# KiCad board NoU2-panelized2.kicad_pcb (continued)
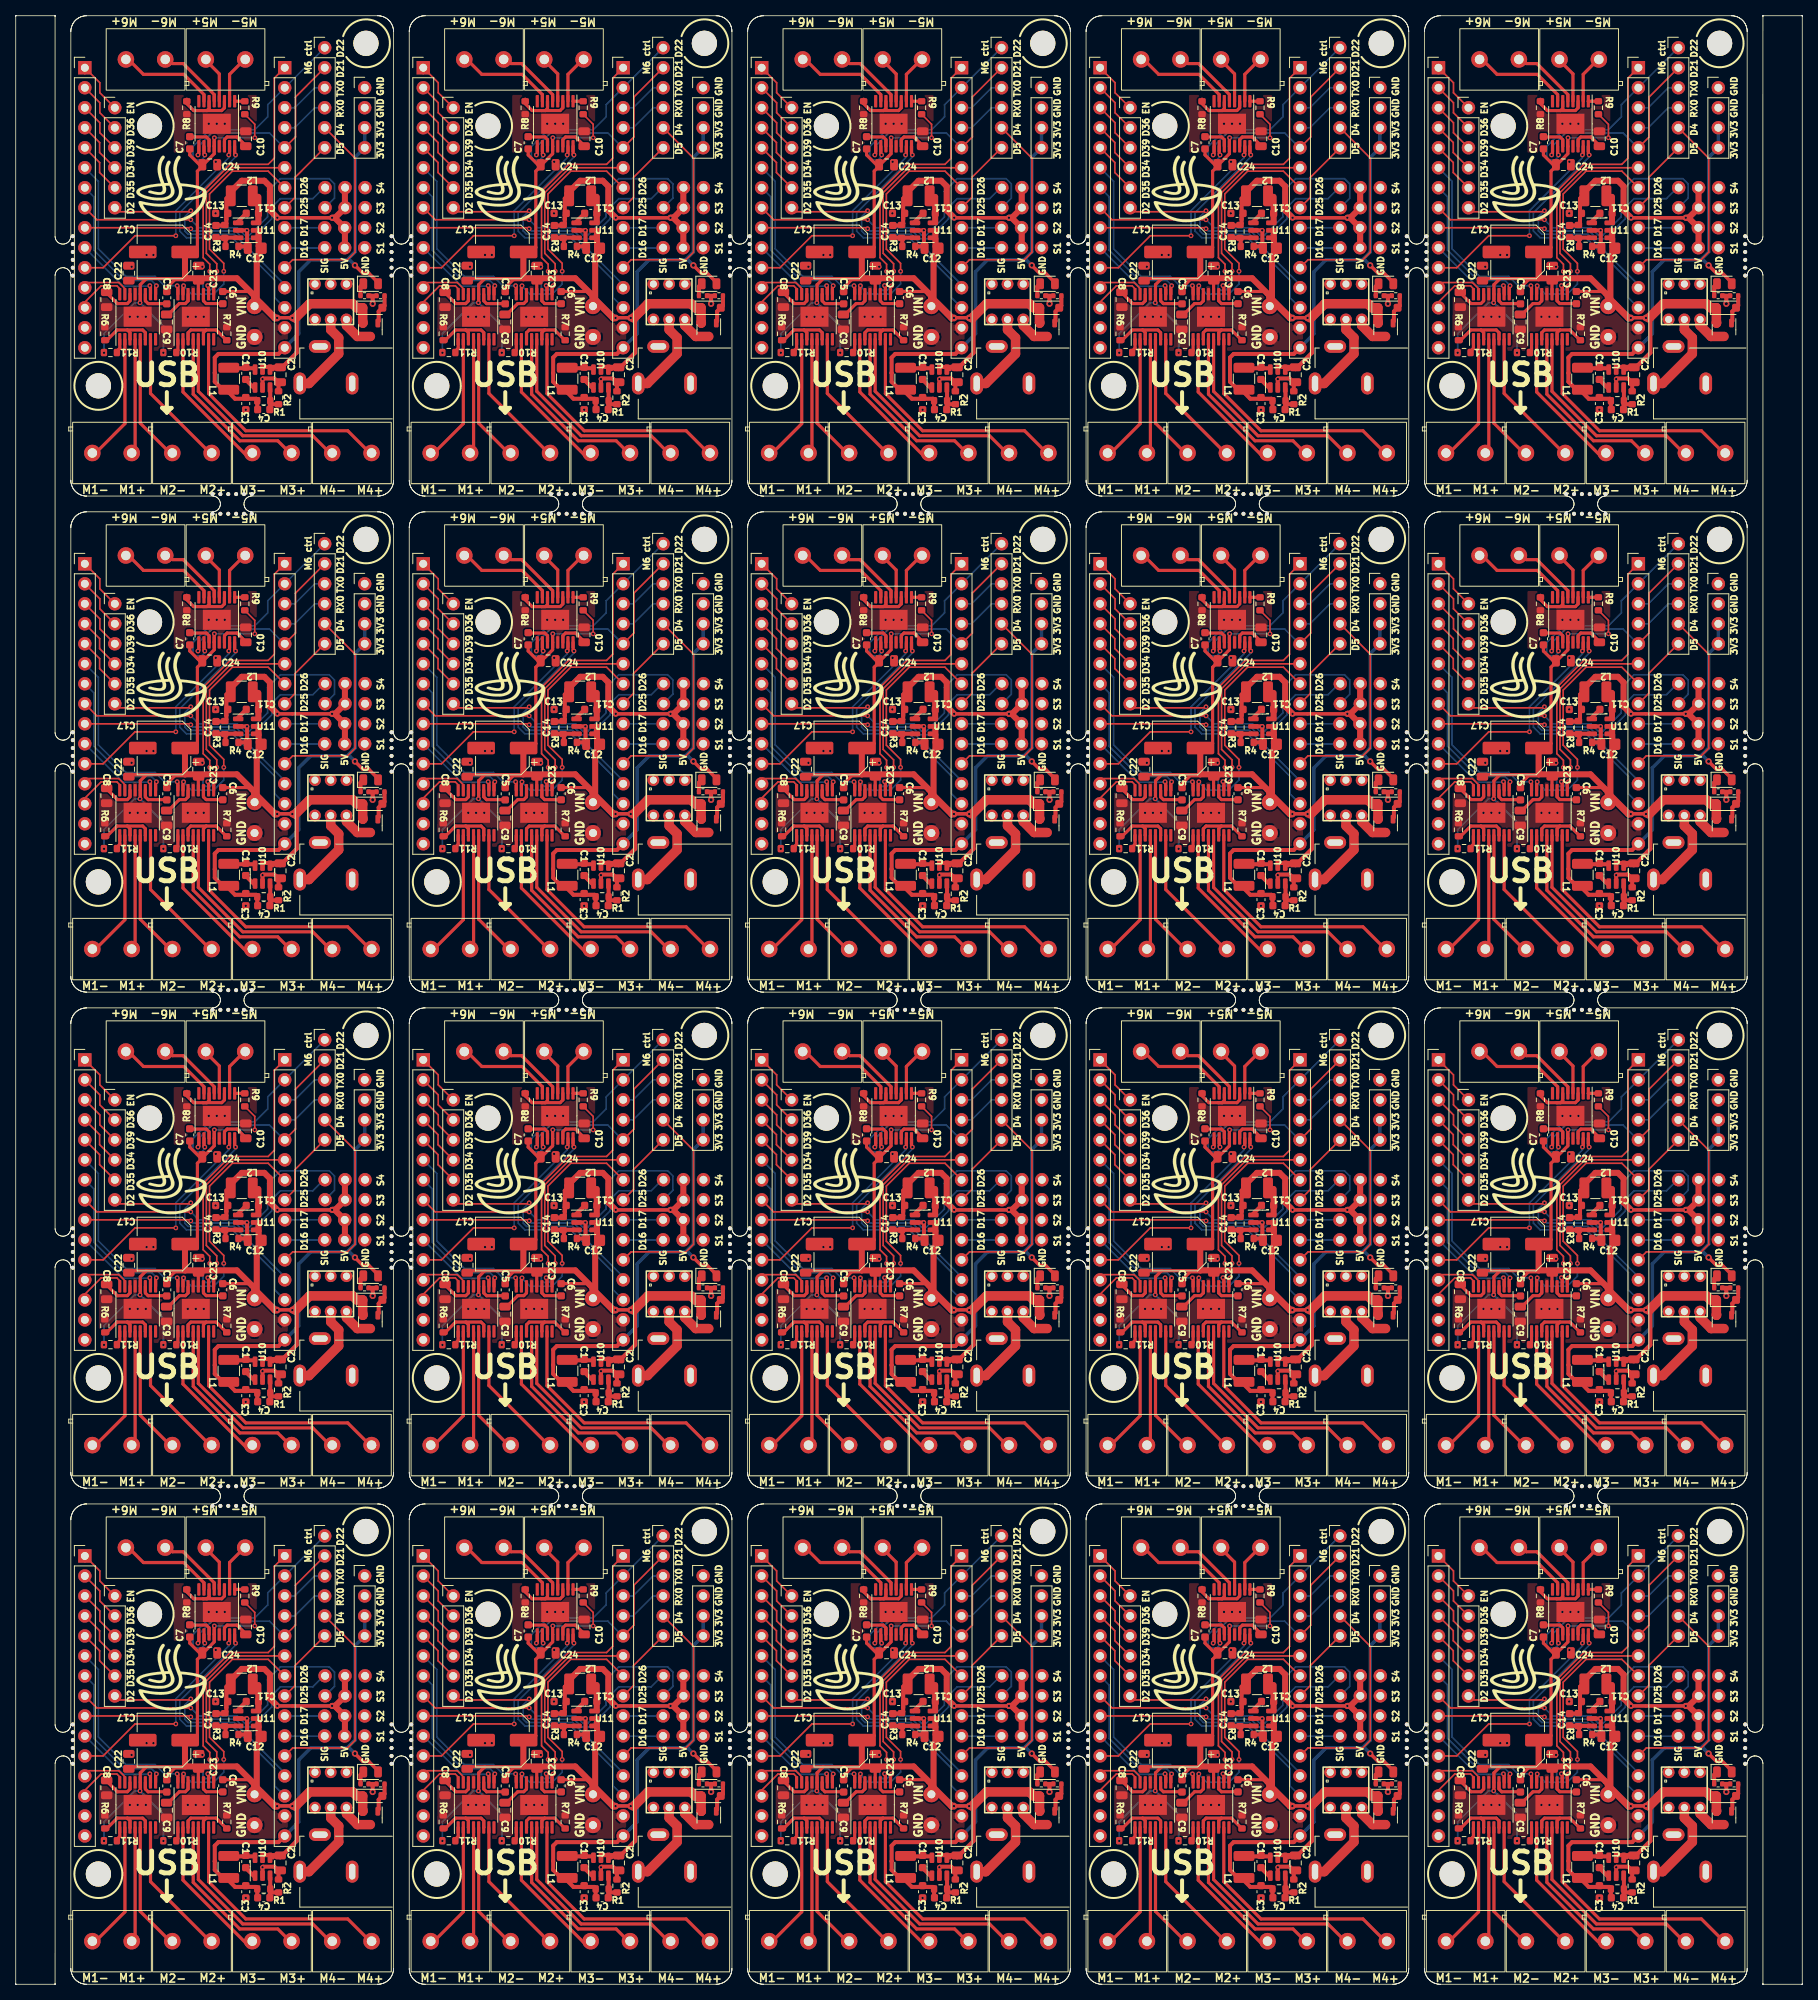
[diagram p0: board, top side]
## Placement (name value [footprint] x y rotation side) (continued)
REF**#363  -  [NPTH]  93.25 222 0 top
REF**#364  -  [NPTH]  47.75 31 0 top
REF**#365  -  [NPTH]  197 63.25 0 top
REF**#366  -  [NPTH]  70 189.25 0 top
REF**#367  -  [NPTH]  93.25 95 0 top
REF**#368  -  [NPTH]  179.25 30 0 top
REF**#369  -  [NPTH]  155 126.25 0 top
REF**#370  -  [NPTH]  93.25 159 0 top
REF**#371  -  [NPTH]  26 186.75 0 top
REF**#372  -  [NPTH]  154 123.75 0 top
REF**#373  -  [NPTH]  50.25 157 0 top
REF**#374  -  [NPTH]  179.25 28 0 top
REF**#375  -  [NPTH]  113 123.75 0 top
REF**#376  -  [NPTH]  90.75 221 0 top
REF**#377  -  [NPTH]  47.75 32 0 top
REF**#378  -  [NPTH]  47.75 96 0 top
REF**#379  -  [NPTH]  47.75 94 0 top
REF**#380  -  [NPTH]  219.75 28 0 top
REF**#381  -  [NPTH]  68 63.25 0 top
REF**#382  -  [NPTH]  154 186.75 0 top
REF**#383  -  [NPTH]  68 60.75 0 top
REF**#384  -  [NPTH]  47.75 30 0 top
REF**#385  -  [NPTH]  133.75 92 0 top
REF**#386  -  [NPTH]  90.75 217 0 top
REF**#387  -  [NPTH]  73 186.75 0 top
REF**#388  -  [NPTH]  50.25 33 0 top
REF**#389  -  [NPTH]  7.25 33 0 top
REF**#390  -  [NPTH]  219.75 31 0 top
REF**#391  -  [NPTH]  179.25 221 0 top
REF**#392  -  [NPTH]  29 63.25 0 top
REF**#393  -  [NPTH]  47.75 91 0 top
REF**#394  -  [NPTH]  176.75 33 0 top
REF**#395  -  [NPTH]  197 123.75 0 top
REF**#396  -  [NPTH]  159 189.25 0 top
REF**#397  -  [NPTH]  50.25 91 0 top
REF**#398  -  [NPTH]  136.25 159 0 top
REF**#399  -  [NPTH]  157 126.25 0 top
REF**#400  -  [NPTH]  202 186.75 0 top
REF**#401  -  [NPTH]  176.75 91 0 top
REF**#402  -  [NPTH]  156 63.25 0 top
REF**#403  -  [NPTH]  71 189.25 0 top
REF**#404  -  [NPTH]  112 63.25 0 top
REF**#405  -  [NPTH]  69 126.25 0 top
REF**#406  -  [NPTH]  30 123.75 0 top
REF**#407  -  [NPTH]  25 123.75 0 top
REF**#408  -  [NPTH]  114 126.25 0 top
REF**#409  -  [NPTH]  179.25 218 0 top
REF**#410  -  [NPTH]  29 60.75 0 top
REF**#411  -  [NPTH]  72 60.75 0 top
REF**#412  -  [NPTH]  7.25 221 0 top
REF**#413  -  [NPTH]  158 63.25 0 top
REF**#414  -  [NPTH]  71 123.75 0 top
REF**#415  -  [NPTH]  50.25 30 0 top
REF**#416  -  [NPTH]  29 186.75 0 top
REF**#417  -  [NPTH]  50.25 32 0 top
REF**#418  -  [NPTH]  159 123.75 0 top
REF**#419  -  [NPTH]  113 63.25 0 top
REF**#420  -  [NPTH]  72 123.75 0 top
REF**#421  -  [NPTH]  50.25 217 0 top
REF**#422  -  [NPTH]  133.75 28 0 top
REF**#423  -  [NPTH]  179.25 96 0 top
REF**#424  -  [NPTH]  202 189.25 0 top
REF**#425  -  [NPTH]  50.25 155 0 top
REF**#426  -  [NPTH]  136.25 31 0 top
REF**#427  -  [NPTH]  50.25 96 0 top
REF**#428  -  [NPTH]  219.75 92 0 top
REF**#429  -  [NPTH]  29 123.75 0 top
REF**#430  -  [NPTH]  133.75 220 0 top
REF**#431  -  [NPTH]  7.25 220 0 top
REF**#432  -  [NPTH]  199 126.25 0 top
REF**#433  -  [NPTH]  73 126.25 0 top
REF**#434  -  [NPTH]  27 126.25 0 top
REF**#435  -  [NPTH]  219.75 32 0 top
REF**#436  -  [NPTH]  201 63.25 0 top
REF**#437  -  [NPTH]  133.75 33 0 top
REF**#438  -  [NPTH]  158 126.25 0 top
REF**#439  -  [NPTH]  90.75 33 0 top
REF**#440  -  [NPTH]  30 186.75 0 top
REF**#441  -  [NPTH]  68 126.25 0 top
REF**#442  -  [NPTH]  200 60.75 0 top
REF**#443  -  [NPTH]  90.75 159 0 top
REF**#444  -  [NPTH]  158 123.75 0 top
REF**#445  -  [NPTH]  176.75 155 0 top
REF**#446  -  [NPTH]  198 186.75 0 top
REF**#447  -  [NPTH]  136.25 28 0 top
REF**#448  -  [NPTH]  176.75 158 0 top
REF**#449  -  [NPTH]  159 186.75 0 top
REF**#450  -  [NPTH]  90.75 157 0 top
REF**#451  -  [NPTH]  116 126.25 0 top
REF**#452  -  [NPTH]  219.75 33 0 top
REF**#453  -  [NPTH]  136.25 33 0 top
REF**#454  -  [NPTH]  219.75 221 0 top
REF**#455  -  [NPTH]  114 186.75 0 top
REF**#456  -  [NPTH]  115 126.25 0 top
REF**#457  -  [NPTH]  176.75 218 0 top
REF**#458  -  [NPTH]  47.75 28 0 top
REF**#459  -  [NPTH]  159 126.25 0 top
REF**#460  -  [NPTH]  136.25 155 0 top
REF**#461  -  [NPTH]  69 186.75 0 top
REF**#462  -  [NPTH]  176.75 29 0 top
REF**#463  -  [NPTH]  156 123.75 0 top
REF**#464  -  [NPTH]  69 189.25 0 top
REF**#465  -  [NPTH]  47.75 33 0 top
REF**#466  -  [NPTH]  69 63.25 0 top
REF**#467  -  [NPTH]  133.75 154 0 top
REF**#468  -  [NPTH]  136.25 222 0 top
REF**#469  -  [NPTH]  93.25 92 0 top
REF**#470  -  [NPTH]  157 189.25 0 top
REF**#471  -  [NPTH]  133.75 32 0 top
REF**#472  -  [NPTH]  201 60.75 0 top
REF**#473  -  [NPTH]  111 186.75 0 top
REF**#474  -  [NPTH]  47.75 157 0 top
REF**#475  -  [NPTH]  179.25 91 0 top
REF**#476  -  [NPTH]  71 60.75 0 top
REF**#477  -  [NPTH]  133.75 218 0 top
REF**#478  -  [NPTH]  93.25 154 0 top
REF**#479  -  [NPTH]  176.75 32 0 top
REF**#480  -  [NPTH]  115 186.75 0 top
U1  -  [HR8833]  58.49 211.78 90 top
U1#2  -  [HR8833]  144.49 211.78 90 top
U1#3  -  [HR8833]  187.49 148.78 90 top
U1#4  -  [HR8833]  15.49 211.78 90 top
U1#5  -  [HR8833]  58.49 148.78 90 top
U1#6  -  [HR8833]  144.49 85.78 90 top
U1#7  -  [HR8833]  101.49 211.78 90 top
U1#8  -  [HR8833]  187.49 211.78 90 top
U1#9  -  [HR8833]  58.49 22.78 90 top
U1#10  -  [HR8833]  101.49 148.78 90 top
U1#11  -  [HR8833]  101.49 85.78 90 top
U1#12  -  [HR8833]  187.49 22.78 90 top
U1#13  -  [HR8833]  15.49 22.78 90 top
U1#14  -  [HR8833]  15.49 148.78 90 top
U1#15  -  [HR8833]  101.49 22.78 90 top
U1#16  -  [HR8833]  187.49 85.78 90 top
U1#17  -  [HR8833]  58.49 85.78 90 top
U1#18  -  [HR8833]  15.49 85.78 90 top
U1#19  -  [HR8833]  144.49 148.78 90 top
U1#20  -  [HR8833]  144.49 22.78 90 top
U2  -  [HR8833]  25.54 173.28 270 top
U2#2  -  [HR8833]  197.54 236.28 270 top
U2#3  -  [HR8833]  111.54 236.28 270 top
U2#4  -  [HR8833]  154.54 236.28 270 top
U2#5  -  [HR8833]  68.54 110.28 270 top
U2#6  -  [HR8833]  25.54 47.28 270 top
U2#7  -  [HR8833]  197.54 110.28 270 top
U2#8  -  [HR8833]  111.54 173.28 270 top
U2#9  -  [HR8833]  25.54 236.28 270 top
U2#10  -  [HR8833]  154.54 47.28 270 top
U2#11  -  [HR8833]  111.54 47.28 270 top
U2#12  -  [HR8833]  197.54 173.28 270 top
U2#13  -  [HR8833]  68.54 47.28 270 top
U2#14  -  [HR8833]  25.54 110.28 270 top
U2#15  -  [HR8833]  111.54 110.28 270 top
U2#16  -  [HR8833]  68.54 236.28 270 top
U2#17  -  [HR8833]  154.54 173.28 270 top
U2#18  -  [HR8833]  197.54 47.28 270 top
U2#19  -  [HR8833]  68.54 173.28 270 top
U2#20  -  [HR8833]  154.54 110.28 270 top
U3  -  [HR8833]  108.88 22.77 90 top
U3#2  -  [HR8833]  22.88 211.77 90 top
U3#3  -  [HR8833]  194.88 148.77 90 top
U3#4  -  [HR8833]  108.88 85.77 90 top
U3#5  -  [HR8833]  65.88 211.77 90 top
U3#6  -  [HR8833]  22.88 85.77 90 top
U3#7  -  [HR8833]  65.88 85.77 90 top
U3#8  -  [HR8833]  151.88 85.77 90 top
U3#9  -  [HR8833]  22.88 148.77 90 top
U3#10  -  [HR8833]  65.88 148.77 90 top
U3#11  -  [HR8833]  194.88 211.77 90 top
U3#12  -  [HR8833]  108.88 211.77 90 top
U3#13  -  [HR8833]  151.88 211.77 90 top
U3#14  -  [HR8833]  151.88 22.77 90 top
U3#15  -  [HR8833]  108.88 148.77 90 top
U3#16  -  [HR8833]  194.88 85.77 90 top
U3#17  -  [HR8833]  151.88 148.77 90 top
U3#18  -  [HR8833]  22.88 22.77 90 top
U3#19  -  [HR8833]  194.88 22.77 90 top
U3#20  -  [HR8833]  65.88 22.77 90 top
U4  -  [XKB5858-Z-75]  169.02 87.68 0 top
U4#2  -  [XKB5858-Z-75]  83.02 213.68 0 top
U4#3  -  [XKB5858-Z-75]  83.02 150.68 0 top
U4#4  -  [XKB5858-Z-75]  126.02 150.68 0 top
U4#5  -  [XKB5858-Z-75]  83.02 87.68 0 top
U4#6  -  [XKB5858-Z-75]  126.02 24.68 0 top
U4#7  -  [XKB5858-Z-75]  126.02 87.68 0 top
U4#8  -  [XKB5858-Z-75]  83.02 24.68 0 top
U4#9  -  [XKB5858-Z-75]  212.02 24.68 0 top
U4#10  -  [XKB5858-Z-75]  169.02 150.68 0 top
U4#11  -  [XKB5858-Z-75]  126.02 213.68 0 top
U4#12  -  [XKB5858-Z-75]  40.02 87.68 0 top
U4#13  -  [XKB5858-Z-75]  40.02 150.68 0 top
U4#14  -  [XKB5858-Z-75]  212.02 213.68 0 top
U4#15  -  [XKB5858-Z-75]  169.02 24.68 0 top
U4#16  -  [XKB5858-Z-75]  212.02 87.68 0 top
U4#17  -  [XKB5858-Z-75]  169.02 213.68 0 top
U4#18  -  [XKB5858-Z-75]  212.02 150.68 0 top
U4#19  -  [XKB5858-Z-75]  40.02 213.68 0 top
U4#20  -  [XKB5858-Z-75]  40.02 24.68 0 top
U10  SY8113BADC  [TSOT-23-6]  160.36 203.92 90 top
U10#2  SY8113BADC  [TSOT-23-6]  117.36 77.92 90 top
U10#3  SY8113BADC  [TSOT-23-6]  117.36 203.92 90 top
U10#4  SY8113BADC  [TSOT-23-6]  31.36 14.92 90 top
U10#5  SY8113BADC  [TSOT-23-6]  160.36 140.92 90 top
U10#6  SY8113BADC  [TSOT-23-6]  203.36 14.92 90 top
U10#7  SY8113BADC  [TSOT-23-6]  160.36 14.92 90 top
U10#8  SY8113BADC  [TSOT-23-6]  74.36 203.92 90 top
U10#9  SY8113BADC  [TSOT-23-6]  117.36 140.92 90 top
U10#10  SY8113BADC  [TSOT-23-6]  31.36 140.92 90 top
U10#11  SY8113BADC  [TSOT-23-6]  203.36 77.92 90 top
U10#12  SY8113BADC  [TSOT-23-6]  74.36 77.92 90 top
U10#13  SY8113BADC  [TSOT-23-6]  203.36 140.92 90 top
U10#14  SY8113BADC  [TSOT-23-6]  74.36 14.92 90 top
U10#15  SY8113BADC  [TSOT-23-6]  31.36 77.92 90 top
U10#16  SY8113BADC  [TSOT-23-6]  117.36 14.92 90 top
U10#17  SY8113BADC  [TSOT-23-6]  203.36 203.92 90 top
U10#18  SY8113BADC  [TSOT-23-6]  74.36 140.92 90 top
U10#19  SY8113BADC  [TSOT-23-6]  160.36 77.92 90 top
U10#20  SY8113BADC  [TSOT-23-6]  31.36 203.92 90 top
U11  SY8113BADC  [TSOT-23-6]  158.4 159.75 0 top
U11#2  SY8113BADC  [TSOT-23-6]  115.4 159.75 0 top
U11#3  SY8113BADC  [TSOT-23-6]  72.4 222.75 0 top
U11#4  SY8113BADC  [TSOT-23-6]  29.4 96.75 0 top
U11#5  SY8113BADC  [TSOT-23-6]  29.4 33.75 0 top
U11#6  SY8113BADC  [TSOT-23-6]  115.4 33.75 0 top
U11#7  SY8113BADC  [TSOT-23-6]  201.4 222.75 0 top
U11#8  SY8113BADC  [TSOT-23-6]  115.4 96.75 0 top
U11#9  SY8113BADC  [TSOT-23-6]  29.4 222.75 0 top
U11#10  SY8113BADC  [TSOT-23-6]  115.4 222.75 0 top
U11#11  SY8113BADC  [TSOT-23-6]  158.4 222.75 0 top
U11#12  SY8113BADC  [TSOT-23-6]  72.4 159.75 0 top
U11#13  SY8113BADC  [TSOT-23-6]  29.4 159.75 0 top
U11#14  SY8113BADC  [TSOT-23-6]  201.4 159.75 0 top
U11#15  SY8113BADC  [TSOT-23-6]  158.4 33.75 0 top
U11#16  SY8113BADC  [TSOT-23-6]  201.4 33.75 0 top
U11#17  SY8113BADC  [TSOT-23-6]  72.4 33.75 0 top
U11#18  SY8113BADC  [TSOT-23-6]  72.4 96.75 0 top
U11#19  SY8113BADC  [TSOT-23-6]  201.4 96.75 0 top
U11#20  SY8113BADC  [TSOT-23-6]  158.4 96.75 0 top
U17  -  [ServoPorts_2x3]  211.3 225.63 0 top
U17#2  -  [ServoPorts_2x3]  82.3 99.63 0 top
U17#3  -  [ServoPorts_2x3]  125.3 99.63 0 top
U17#4  -  [ServoPorts_2x3]  39.3 225.63 0 top
U17#5  -  [ServoPorts_2x3]  168.3 225.63 0 top
U17#6  -  [ServoPorts_2x3]  82.3 225.63 0 top
U17#7  -  [ServoPorts_2x3]  82.3 162.63 0 top
U17#8  -  [ServoPorts_2x3]  39.3 162.63 0 top
U17#9  -  [ServoPorts_2x3]  211.3 162.63 0 top
U17#10  -  [ServoPorts_2x3]  168.3 99.63 0 top
U17#11  -  [ServoPorts_2x3]  39.3 99.63 0 top
U17#12  -  [ServoPorts_2x3]  39.3 36.63 0 top
U17#13  -  [ServoPorts_2x3]  125.3 162.63 0 top
U17#14  -  [ServoPorts_2x3]  168.3 162.63 0 top
U17#15  -  [ServoPorts_2x3]  168.3 36.63 0 top
U17#16  -  [ServoPorts_2x3]  82.3 36.63 0 top
U17#17  -  [ServoPorts_2x3]  211.3 36.63 0 top
U17#18  -  [ServoPorts_2x3]  211.3 99.63 0 top
U17#19  -  [ServoPorts_2x3]  125.3 225.63 0 top
U17#20  -  [ServoPorts_2x3]  125.3 36.63 0 top
U18  -  [ServoPorts_2x3]  82.26 94.54 0 top
U18#2  -  [ServoPorts_2x3]  211.26 31.54 0 top
U18#3  -  [ServoPorts_2x3]  125.26 220.54 0 top
U18#4  -  [ServoPorts_2x3]  82.26 157.54 0 top
U18#5  -  [ServoPorts_2x3]  211.26 157.54 0 top
U18#6  -  [ServoPorts_2x3]  125.26 94.54 0 top
U18#7  -  [ServoPorts_2x3]  125.26 157.54 0 top
U18#8  -  [ServoPorts_2x3]  168.26 220.54 0 top
U18#9  -  [ServoPorts_2x3]  211.26 94.54 0 top
U18#10  -  [ServoPorts_2x3]  82.26 220.54 0 top
U18#11  -  [ServoPorts_2x3]  39.26 31.54 0 top
U18#12  -  [ServoPorts_2x3]  39.26 157.54 0 top
U18#13  -  [ServoPorts_2x3]  168.26 157.54 0 top
U18#14  -  [ServoPorts_2x3]  211.26 220.54 0 top
U18#15  -  [ServoPorts_2x3]  82.26 31.54 0 top
U18#16  -  [ServoPorts_2x3]  39.26 220.54 0 top
U18#17  -  [ServoPorts_2x3]  168.26 31.54 0 top
U18#18  -  [ServoPorts_2x3]  125.26 31.54 0 top
U18#19  -  [ServoPorts_2x3]  168.26 94.54 0 top
U18#20  -  [ServoPorts_2x3]  39.26 94.54 0 top

## Library data of the parts
C1 C1#2-C1#20 C11 C11#2-C11#20 = -: Description: Unpolarized capacitor; LCSC: C14663
C2 C2#2-C2#20 C8 C8#2-C8#20 C9 C9#2-C9#20 C10 C10#2-C10#20 C12 C12#2-C12#20 C22 C22#2-C22#20 C23 C23#2-C23#20 C24 C24#2-C24#20 = -: Description: Unpolarized capacitor; LCSC: C15850
C3 C3#2-C3#20 C13 C13#2-C13#20 = -: Description: Unpolarized capacitor; LCSC: C59461
C4 C4#2-C4#20 C14 C14#2-C14#20 = -: Description: Unpolarized capacitor; LCSC: C1653
C5 C5#2-C5#20 C6 C6#2-C6#20 C7 C7#2-C7#20 = -: Description: Unpolarized capacitor; LCSC: C57112
C17 C17#2-C17#20 = -: Description: Polarized capacitor; LCSC: C176675
D1 D1#2-D1#20 = -: Description: Light emitting diode; LCSC: C2296
D3 D3#2-D3#20 = -: Description: 500mW Zener Diode, MiniMELF; LCSC: C22612
J1 J1#2-J1#20 J4 J4#2-J4#20 = -: Description: Generic connector, single row, 01x06, script generated (kicad-library-utils/schlib/autogen/connector/)
J2 J2#2-J2#20 J5 J5#2-J5#20 = -: Description: Generic connector, single row, 01x15, script generated (kicad-library-utils/schlib/autogen/connector/); LCSC: C2897378
J3 J3#2-J3#20 = -: Description: Generic connector, single row, 01x04, script generated (kicad-library-utils/schlib/autogen/connector/)
J10 J10#2-J10#20 = -: Description: DC Barrel Jack; LCSC: C84007
J11 J11#2-J11#20 J15 J15#2-J15#20 J16 J16#2-J16#20 J17 J17#2-J17#20 J18 J18#2-J18#20 J19 J19#2-J19#20 = -: Description: Generic screw terminal, single row, 01x02, script generated (kicad-library-utils/schlib/autogen/connector/); LCSC: C557646
J13 J13#2-J13#20 J14 J14#2-J14#20 = -: Description: Generic connector, single row, 01x01, script generated (kicad-library-utils/schlib/autogen/connector/)
L1 L1#2-L1#20 L2 L2#2-L2#20 = -: Description: Inductor; LCSC: C86070
Q1 Q1#2-Q1#20 = -: Description: -4.0A Id, -30V Vds, P-Channel MOSFET, SOT-23; LCSC: C15127
R1 R1#2-R1#20 R3 R3#2-R3#20 = -: Description: Resistor; LCSC: C25803
R2 R2#2-R2#20 R9 R9#2-R9#20 R10 R10#2-R10#20 R11 R11#2-R11#20 = -: Description: Resistor; LCSC: C31850
R4 R4#2-R4#20 = -: Description: Resistor; LCSC: C22797
R5 R5#2-R5#20 = -: Description: Resistor; LCSC: C25744
R6 R6#2-R6#20 R7 R7#2-R7#20 R8 R8#2-R8#20 = -: Description: Resistor; LCSC: C111027
R14 R14#2-R14#20 = -: Description: Resistor; LCSC: C11702
U1 U1#2-U1#20 U2 U2#2-U2#20 U3 U3#2-U3#20 = -: LCSC: C128666
U4 U4#2-U4#20 = -: LCSC: C318867
U10 U10#2-U10#20 U11 U11#2-U11#20 = -: LCSC: C78989
U17 U17#2-U17#20 U18 U18#2-U18#20 = -: LCSC: C5116479

## Footprints (pads in the part's own frame, mm; a bottom-side part is the same pattern mirrored in y, then rotated)
C_0603_1608Metric
  rrect 0.9x0.95 smd: 1(-0.775,0) 2(0.775,0)
C_0805_2012Metric
  rrect 1x1.45 smd: 1(-0.95,0) 2(0.95,0)
CP_Elec_6.3x7.7
  rrect 3.5x1.6 smd: 1(-2.7,0) 2(2.7,0)
D_SOD-323_HandSoldering
  rrect 1x1 smd: 1(-1.25,0) 2(1.25,0)
DC-005C
  rrect 1.6x2.8 hole 0.8x2: 1(6.65,0) 2(0,0)
  rrect 2.8x1.6 hole 2x0.8: 3(4.1,-4.7)
HR8833
  rect 2.54x3.556 smd: (0,0) 17(0,0)
  rect 2.794x3.81 smd: (0,0)
  rrect 1.575x0.4 smd: 1(-2.862,2.275) 2(-2.862,1.625) 3(-2.862,0.975) 4(-2.862,0.325) 5(-2.862,-0.325) 6(-2.862,-0.975) 7(-2.862,-1.625) 8(-2.862,-2.275) 9(2.862,-2.275) 10(2.862,-1.625) 11(2.862,-0.975) 12(2.862,-0.325) 13(2.862,0.325) 14(2.862,0.975) 15(2.862,1.625) 16(2.862,2.275)
L_1210_3225Metric
  rrect 1.25x2.65 smd: 1(-1.4,0) 2(1.4,0)
LED_0805_2012Metric
  rrect 0.975x1.4 smd: 1(-0.938,0) 2(0.938,0)
MountingHole_3.2mm_M3
  round 3.2 hole 3.2 unplated: (0,0)
NPTH
  round 0.5 hole 0.5 unplated: (0,0)
PinHeader_1x04_P2.54mm_Vertical
  round 1.7 hole 1: 1(0,0)
  oval 1.7x1.7 hole 1: 2(0,-2.54) 3(0,-5.08) 4(0,-7.62)
PinHeader_1x06_P2.54mm_Vertical
  round 1.7 hole 1: 1(0,0)
  oval 1.7x1.7 hole 1: 2(0,-2.54) 3(0,-5.08) 4(0,-7.62) 5(0,-10.16) 6(0,-12.7)
PinHeader_1x15_P2.54mm_Vertical
  rect 1.7x1.7 hole 1: 1(0,0)
  oval 1.7x1.7 hole 1: 2(0,-2.54) 3(0,-5.08) 4(0,-7.62) 5(0,-10.16) 6(0,-12.7) 7(0,-15.24) 8(0,-17.78) 9(0,-20.32) 10(0,-22.86) 11(0,-25.4) 12(0,-27.94) 13(0,-30.48) 14(0,-33.02) 15(0,-35.56)
PinSocket_1x01_P2.54mm_Vertical
  round 2.032 hole 1.016: 1(0,0)
R_0402_1005Metric
  rrect 0.54x0.64 smd: 1(-0.51,0) 2(0.51,0)
R_0603_1608Metric
  rrect 0.8x0.95 smd: 1(-0.825,0) 2(0.825,0)
ServoPorts_2x3
  oval 1.7x1.7 hole 1: 1(2.54,2.54) 1(2.54,0) 2(5.08,2.54) 2(5.08,0) 3(0,2.54) 4(0,0)
SOT-23-small
  rrect 1.1x0.6 smd: 1(-0.85,0.95) 2(-0.85,-0.95) 3(0.85,0)
TerminalBlock_Ningbo_2P_5mm
  round 2.1 hole 1.2: 1(-2.5,0) 2(2.5,0)
TSOT-23-6
  rrect 1.325x0.6 smd: 1(-1.137,0.95) 2(-1.137,0) 3(-1.137,-0.95) 4(1.137,-0.95) 5(1.137,0) 6(1.137,0.95)
XKB5858-Z-75
  round 1.5 hole 0.9: 1(-2,2.25) 2(0,2.25) 3(2,2.25) 4(-2,-2.25) 5(0,-2.25) 6(2,-2.25)

## Nets
Board_0-3V3: C3#20.2 C4#8.2 D1#5.2 J3.3 J3.4 J5#14.15 L1#4.2 R1#3.1
Board_0-5V: C13#13.2 C14#19.2 L2#5.2 R3#18.1 U17#4.1 U18#16.1
Board_0-/Sheet6057E9B8/D34: J2#13.4 J4#9.4
Board_0-/Sheet6057E9B8/D35: J2#13.5 J4#9.5
Board_0-/Sheet6057E9B8/D36: J2#13.2 J4#9.2
Board_0-/Sheet6057E9B8/D39: J2#13.3 J4#9.3
Board_0-/Sheet6057E9B8/EN: J2#13.1 J4#9.1
Board_0-/Sheet6057E9B8/EVIN: J2#13.15
Board_0-D2: J4#9.6 J5#14.12
Board_0-D4: J1#9.5 J5#14.11
Board_0-D5: J1#9.6 J5#14.8
Board_0-GND: C2#16.1 C3#20.1 C8.2 C9#14.2 C10#3.2 C12#6.1 C13#13.1 C17#17.2 C22#6.2 C23.2 C24.2 J2#13.14 J3.1 J3.2 J5#14.14 J10#9.2 J13.1 R2#11.2 R4.2 R5#6.2 R6#12.1 R7.1 R8#13.1 R14#6.2 U1#4.13 U1#4.17 U2#9.13 U2#9.17 U3#2.13 U3#2.17 U10#20.2 U11#9.2 U17#4.2 U18#16.2
Board_0-M1A: J2#13.13 U1#4.16
Board_0-M1B: J2#13.12 U1#4.15
Board_0-M2A: J2#13.10 U1#4.10
Board_0-M2B: J2#13.7 U1#4.9
Board_0-M3A: J2#13.6 U3#2.16
Board_0-M3B: J5#14.7 U3#2.15
Board_0-M4A: J5#14.6 U3#2.10
Board_0-M4B: J5#14.1 U3#2.9
Board_0-M5A: J5#14.13 U2#9.16
Board_0-M5B: J2#13.11 U2#9.15
Board_0-M6A: J1#9.1 J5#14.2 U2#9.10
Board_0-M6B: J1#9.2 J5#14.5 U2#9.9
Board_0-Net-(D1-K): D1#5.1 R14#6.1
Board_0-Net-(D3-A): D3#6.2 Q1#2.1 R5#6.1
Board_0-Net-(J10-Pad1): J10#9.1 U4#19.5
Board_0-Net-(J11-Pin_1): J11#5.1 U1#4.4
Board_0-Net-(J11-Pin_2): J11#5.2 U1#4.2
Board_0-Net-(J15-Pin_1): J15#2.1 U1#4.7
Board_0-Net-(J15-Pin_2): J15#2.2 U1#4.5
Board_0-Net-(J16-Pin_1): J16#7.1 U3#2.4
Board_0-Net-(J16-Pin_2): J16#7.2 U3#2.2
Board_0-Net-(J17-Pin_1): J17#11.1 U3#2.7
Board_0-Net-(J17-Pin_2): J17#11.2 U3#2.5
Board_0-Net-(J18-Pin_1): J18#13.1 U2#9.4
Board_0-Net-(J18-Pin_2): J18#13.2 U2#9.2
Board_0-Net-(J19-Pin_1): J19#12.1 U2#9.7
Board_0-Net-(J19-Pin_2): J19#12.2 U2#9.5
Board_0-Net-(Q1-D): Q1#2.3 U4#19.6
Board_0-Net-(U1-AISEN): R6#12.2 U1#4.3 U1#4.6
Board_0-Net-(U1-nSLEEP): R11#8.1 U1#4.1
Board_0-Net-(U1-VCP): C5.2 U1#4.11
Board_0-Net-(U1-VINT): C8.1 U1#4.14
Board_0-Net-(U2-AISEN): R8#13.2 U2#9.3 U2#9.6
Board_0-Net-(U2-nSLEEP): R9#8.1 U2#9.1
Board_0-Net-(U2-VCP): C7.2 U2#9.11
Board_0-Net-(U2-VINT): C10#3.1 U2#9.14
Board_0-Net-(U3-AISEN): R7.2 U3#2.3 U3#2.6
Board_0-Net-(U3-nSLEEP): R10#12.1 U3#2.1
Board_0-Net-(U3-VCP): C6#8.2 U3#2.11
Board_0-Net-(U3-VINT): C9#14.1 U3#2.14
Board_0-Net-(U10-BS): C1#13.2 U10#20.1
Board_0-Net-(U10-FB): C4#8.1 R1#3.2 R2#11.1 U10#20.3
Board_0-Net-(U10-LX): C1#13.1 L1#4.1 U10#20.6
Board_0-Net-(U11-BS): C11#13.2 U11#9.1
Board_0-Net-(U11-FB): C14#19.1 R3#18.2 R4.1 U11#9.3
Board_0-Net-(U11-LX): C11#13.1 L2#5.1 U11#9.6
Board_0-RX0: J1#9.4 J5#14.4
Board_0-SRV1: J5#14.10 U18#16.4
Board_0-SRV2: J5#14.9 U18#16.3
Board_0-SRV3: J2#13.8 U17#4.4
Board_0-SRV4: J2#13.9 U17#4.3
Board_0-TX0: J1#9.3 J5#14.3
Board_0-unconnected-(U1-nFAULT-Pad8): U1#4.8
Board_0-unconnected-(U2-nFAULT-Pad8): U2#9.8
Board_0-unconnected-(U3-nFAULT-Pad8): U3#2.8
Board_0-unconnected-(U4-Pad1): U4#19.1
Board_0-unconnected-(U4-Pad2): U4#19.2
Board_0-unconnected-(U4-Pad3): U4#19.3
Board_0-unconnected-(U4-Pad4): U4#19.4
Board_0-VIN: C2#16.2 C5.1 C6#8.1 C7.1 C12#6.2 C17#17.1 C22#6.1 C23.1 C24.1 D3#6.1 J14#3.1 Q1#2.2 R9#8.2 R10#12.2 R11#8.2 U1#4.12 U2#9.12 U3#2.12 U10#20.4 U10#20.5 U11#9.4 U11#9.5
Board_1-3V3: C3#7.2 C4#3.2 D1#14.2 J3#5.3 J3#5.4 J5#5.15 L1#10.2 R1#5.1
Board_1-5V: C13#11.2 C14#17.2 L2#4.2 R3#2.1 U17#6.1 U18#10.1
Board_1-/Sheet6057E9B8/D34: J2#10.4 J4#7.4
Board_1-/Sheet6057E9B8/D35: J2#10.5 J4#7.5
Board_1-/Sheet6057E9B8/D36: J2#10.2 J4#7.2
Board_1-/Sheet6057E9B8/D39: J2#10.3 J4#7.3
Board_1-/Sheet6057E9B8/EN: J2#10.1 J4#7.1
Board_1-/Sheet6057E9B8/EVIN: J2#10.15
Board_1-D2: J4#7.6 J5#5.12
Board_1-D4: J1#8.5 J5#5.11
Board_1-D5: J1#8.6 J5#5.8
Board_1-GND: C2#14.1 C3#7.1 C8#7.2 C9#3.2 C10#15.2 C12#9.1 C13#11.1 C17#4.2 C22#4.2 C23#11.2 C24#8.2 J2#10.14 J3#5.1 J3#5.2 J5#5.14 J10#10.2 J13#11.1 R2#12.2 R4#4.2 R5#2.2 R6#4.1 R7#11.1 R8#16.1 R14#7.2 U1.13 U1.17 U2#16.13 U2#16.17 U3#5.13 U3#5.17 U10#8.2 U11#3.2 U17#6.2 U18#10.2
Board_1-M1A: J2#10.13 U1.16
Board_1-M1B: J2#10.12 U1.15
Board_1-M2A: J2#10.10 U1.10
Board_1-M2B: J2#10.7 U1.9
Board_1-M3A: J2#10.6 U3#5.16
Board_1-M3B: J5#5.7 U3#5.15
Board_1-M4A: J5#5.6 U3#5.10
Board_1-M4B: J5#5.1 U3#5.9
Board_1-M5A: J5#5.13 U2#16.16
Board_1-M5B: J2#10.11 U2#16.15
Board_1-M6A: J1#8.1 J5#5.2 U2#16.10
Board_1-M6B: J1#8.2 J5#5.5 U2#16.9
Board_1-Net-(D1-K): D1#14.1 R14#7.1
Board_1-Net-(D3-A): D3#7.2 Q1#13.1 R5#2.1
Board_1-Net-(J10-Pad1): J10#10.1 U4#2.5
Board_1-Net-(J11-Pin_1): J11.1 U1.4
Board_1-Net-(J11-Pin_2): J11.2 U1.2
Board_1-Net-(J15-Pin_1): J15#3.1 U1.7
Board_1-Net-(J15-Pin_2): J15#3.2 U1.5
Board_1-Net-(J16-Pin_1): J16#2.1 U3#5.4
Board_1-Net-(J16-Pin_2): J16#2.2 U3#5.2
Board_1-Net-(J17-Pin_1): J17#9.1 U3#5.7
Board_1-Net-(J17-Pin_2): J17#9.2 U3#5.5
Board_1-Net-(J18-Pin_1): J18#10.1 U2#16.4
Board_1-Net-(J18-Pin_2): J18#10.2 U2#16.2
Board_1-Net-(J19-Pin_1): J19#17.1 U2#16.7
Board_1-Net-(J19-Pin_2): J19#17.2 U2#16.5
Board_1-Net-(Q1-D): Q1#13.3 U4#2.6
Board_1-Net-(U1-AISEN): R6#4.2 U1.3 U1.6
Board_1-Net-(U1-nSLEEP): R11#18.1 U1.1
Board_1-Net-(U1-VCP): C5#8.2 U1.11
Board_1-Net-(U1-VINT): C8#7.1 U1.14
Board_1-Net-(U2-AISEN): R8#16.2 U2#16.3 U2#16.6
Board_1-Net-(U2-nSLEEP): R9#4.1 U2#16.1
Board_1-Net-(U2-VCP): C7#8.2 U2#16.11
Board_1-Net-(U2-VINT): C10#15.1 U2#16.14
Board_1-Net-(U3-AISEN): R7#11.2 U3#5.3 U3#5.6
Board_1-Net-(U3-nSLEEP): R10#15.1 U3#5.1
Board_1-Net-(U3-VCP): C6#13.2 U3#5.11
Board_1-Net-(U3-VINT): C9#3.1 U3#5.14
Board_1-Net-(U10-BS): C1.2 U10#8.1
Board_1-Net-(U10-FB): C4#3.1 R1#5.2 R2#12.1 U10#8.3
Board_1-Net-(U10-LX): C1.1 L1#10.1 U10#8.6
Board_1-Net-(U11-BS): C11#18.2 U11#3.1
Board_1-Net-(U11-FB): C14#17.1 R3#2.2 R4#4.1 U11#3.3
Board_1-Net-(U11-LX): C11#18.1 L2#4.1 U11#3.6
Board_1-RX0: J1#8.4 J5#5.4
Board_1-SRV1: J5#5.10 U18#10.4
Board_1-SRV2: J5#5.9 U18#10.3
Board_1-SRV3: J2#10.8 U17#6.4
Board_1-SRV4: J2#10.9 U17#6.3
Board_1-TX0: J1#8.3 J5#5.3
Board_1-unconnected-(U1-nFAULT-Pad8): U1.8
Board_1-unconnected-(U2-nFAULT-Pad8): U2#16.8
Board_1-unconnected-(U3-nFAULT-Pad8): U3#5.8
Board_1-unconnected-(U4-Pad1): U4#2.1
Board_1-unconnected-(U4-Pad2): U4#2.2
Board_1-unconnected-(U4-Pad3): U4#2.3
Board_1-unconnected-(U4-Pad4): U4#2.4
Board_1-VIN: C2#14.2 C5#8.1 C6#13.1 C7#8.1 C12#9.2 C17#4.1 C22#4.1 C23#11.1 C24#8.1 D3#7.1 J14#11.1 Q1#13.2 R9#4.2 R10#15.2 R11#18.2 U1.12 U2#16.12 U3#5.12 U10#8.4 U10#8.5 U11#3.4 U11#3.5
Board_2-3V3: C3#10.2 C4#18.2 D1#6.2 J3#16.3 J3#16.4 J5#11.15 L1#11.2 R1#9.1
Board_2-5V: C13#5.2 C14#6.2 L2#11.2 R3#19.1 U17#19.1 U18#3.1
Board_2-/Sheet6057E9B8/D34: J2#14.4 J4#5.4
Board_2-/Sheet6057E9B8/D35: J2#14.5 J4#5.5
Board_2-/Sheet6057E9B8/D36: J2#14.2 J4#5.2
Board_2-/Sheet6057E9B8/D39: J2#14.3 J4#5.3
Board_2-/Sheet6057E9B8/EN: J2#14.1 J4#5.1
Board_2-/Sheet6057E9B8/EVIN: J2#14.15
Board_2-D2: J4#5.6 J5#11.12
Board_2-D4: J1#11.5 J5#11.11
Board_2-D5: J1#11.6 J5#11.8
Board_2-GND: C2#17.1 C3#10.1 C8#15.2 C9#19.2 C10#7.2 C12.1 C13#5.1 C17#14.2 C22#3.2 C23#7.2 C24#10.2 J2#14.14 J3#16.1 J3#16.2 J5#11.14 J10#3.2 J13#2.1 R2#15.2 R4#11.2 R5#19.2 R6#3.1 R7#3.1 R8#15.1 R14#16.2 U1#7.13 U1#7.17 U2#3.13 U2#3.17 U3#12.13 U3#12.17 U10#3.2 U11#10.2 U17#19.2 U18#3.2
Board_2-M1A: J2#14.13 U1#7.16
Board_2-M1B: J2#14.12 U1#7.15
Board_2-M2A: J2#14.10 U1#7.10
Board_2-M2B: J2#14.7 U1#7.9
Board_2-M3A: J2#14.6 U3#12.16
Board_2-M3B: J5#11.7 U3#12.15
Board_2-M4A: J5#11.6 U3#12.10
Board_2-M4B: J5#11.1 U3#12.9
Board_2-M5A: J5#11.13 U2#3.16
Board_2-M5B: J2#14.11 U2#3.15
Board_2-M6A: J1#11.1 J5#11.2 U2#3.10
Board_2-M6B: J1#11.2 J5#11.5 U2#3.9
Board_2-Net-(D1-K): D1#6.1 R14#16.1
Board_2-Net-(D3-A): D3#2.2 Q1#4.1 R5#19.1
Board_2-Net-(J10-Pad1): J10#3.1 U4#11.5
Board_2-Net-(J11-Pin_1): J11#18.1 U1#7.4
Board_2-Net-(J11-Pin_2): J11#18.2 U1#7.2
Board_2-Net-(J15-Pin_1): J15#10.1 U1#7.7
Board_2-Net-(J15-Pin_2): J15#10.2 U1#7.5
Board_2-Net-(J16-Pin_1): J16#10.1 U3#12.4
Board_2-Net-(J16-Pin_2): J16#10.2 U3#12.2
Board_2-Net-(J17-Pin_1): J17#8.1 U3#12.7
Board_2-Net-(J17-Pin_2): J17#8.2 U3#12.5
Board_2-Net-(J18-Pin_1): J18#17.1 U2#3.4
Board_2-Net-(J18-Pin_2): J18#17.2 U2#3.2
Board_2-Net-(J19-Pin_1): J19#18.1 U2#3.7
Board_2-Net-(J19-Pin_2): J19#18.2 U2#3.5
Board_2-Net-(Q1-D): Q1#4.3 U4#11.6
Board_2-Net-(U1-AISEN): R6#3.2 U1#7.3 U1#7.6
Board_2-Net-(U1-nSLEEP): R11#14.1 U1#7.1
Board_2-Net-(U1-VCP): C5#18.2 U1#7.11
Board_2-Net-(U1-VINT): C8#15.1 U1#7.14
Board_2-Net-(U2-AISEN): R8#15.2 U2#3.3 U2#3.6
Board_2-Net-(U2-nSLEEP): R9#9.1 U2#3.1
Board_2-Net-(U2-VCP): C7#19.2 U2#3.11
Board_2-Net-(U2-VINT): C10#7.1 U2#3.14
Board_2-Net-(U3-AISEN): R7#3.2 U3#12.3 U3#12.6
Board_2-Net-(U3-nSLEEP): R10#7.1 U3#12.1
Board_2-Net-(U3-VCP): C6.2 U3#12.11
Board_2-Net-(U3-VINT): C9#19.1 U3#12.14
Board_2-Net-(U10-BS): C1#18.2 U10#3.1
